# Altium PCB PCB1.PcbDoc (part 2 of 2) (continued)
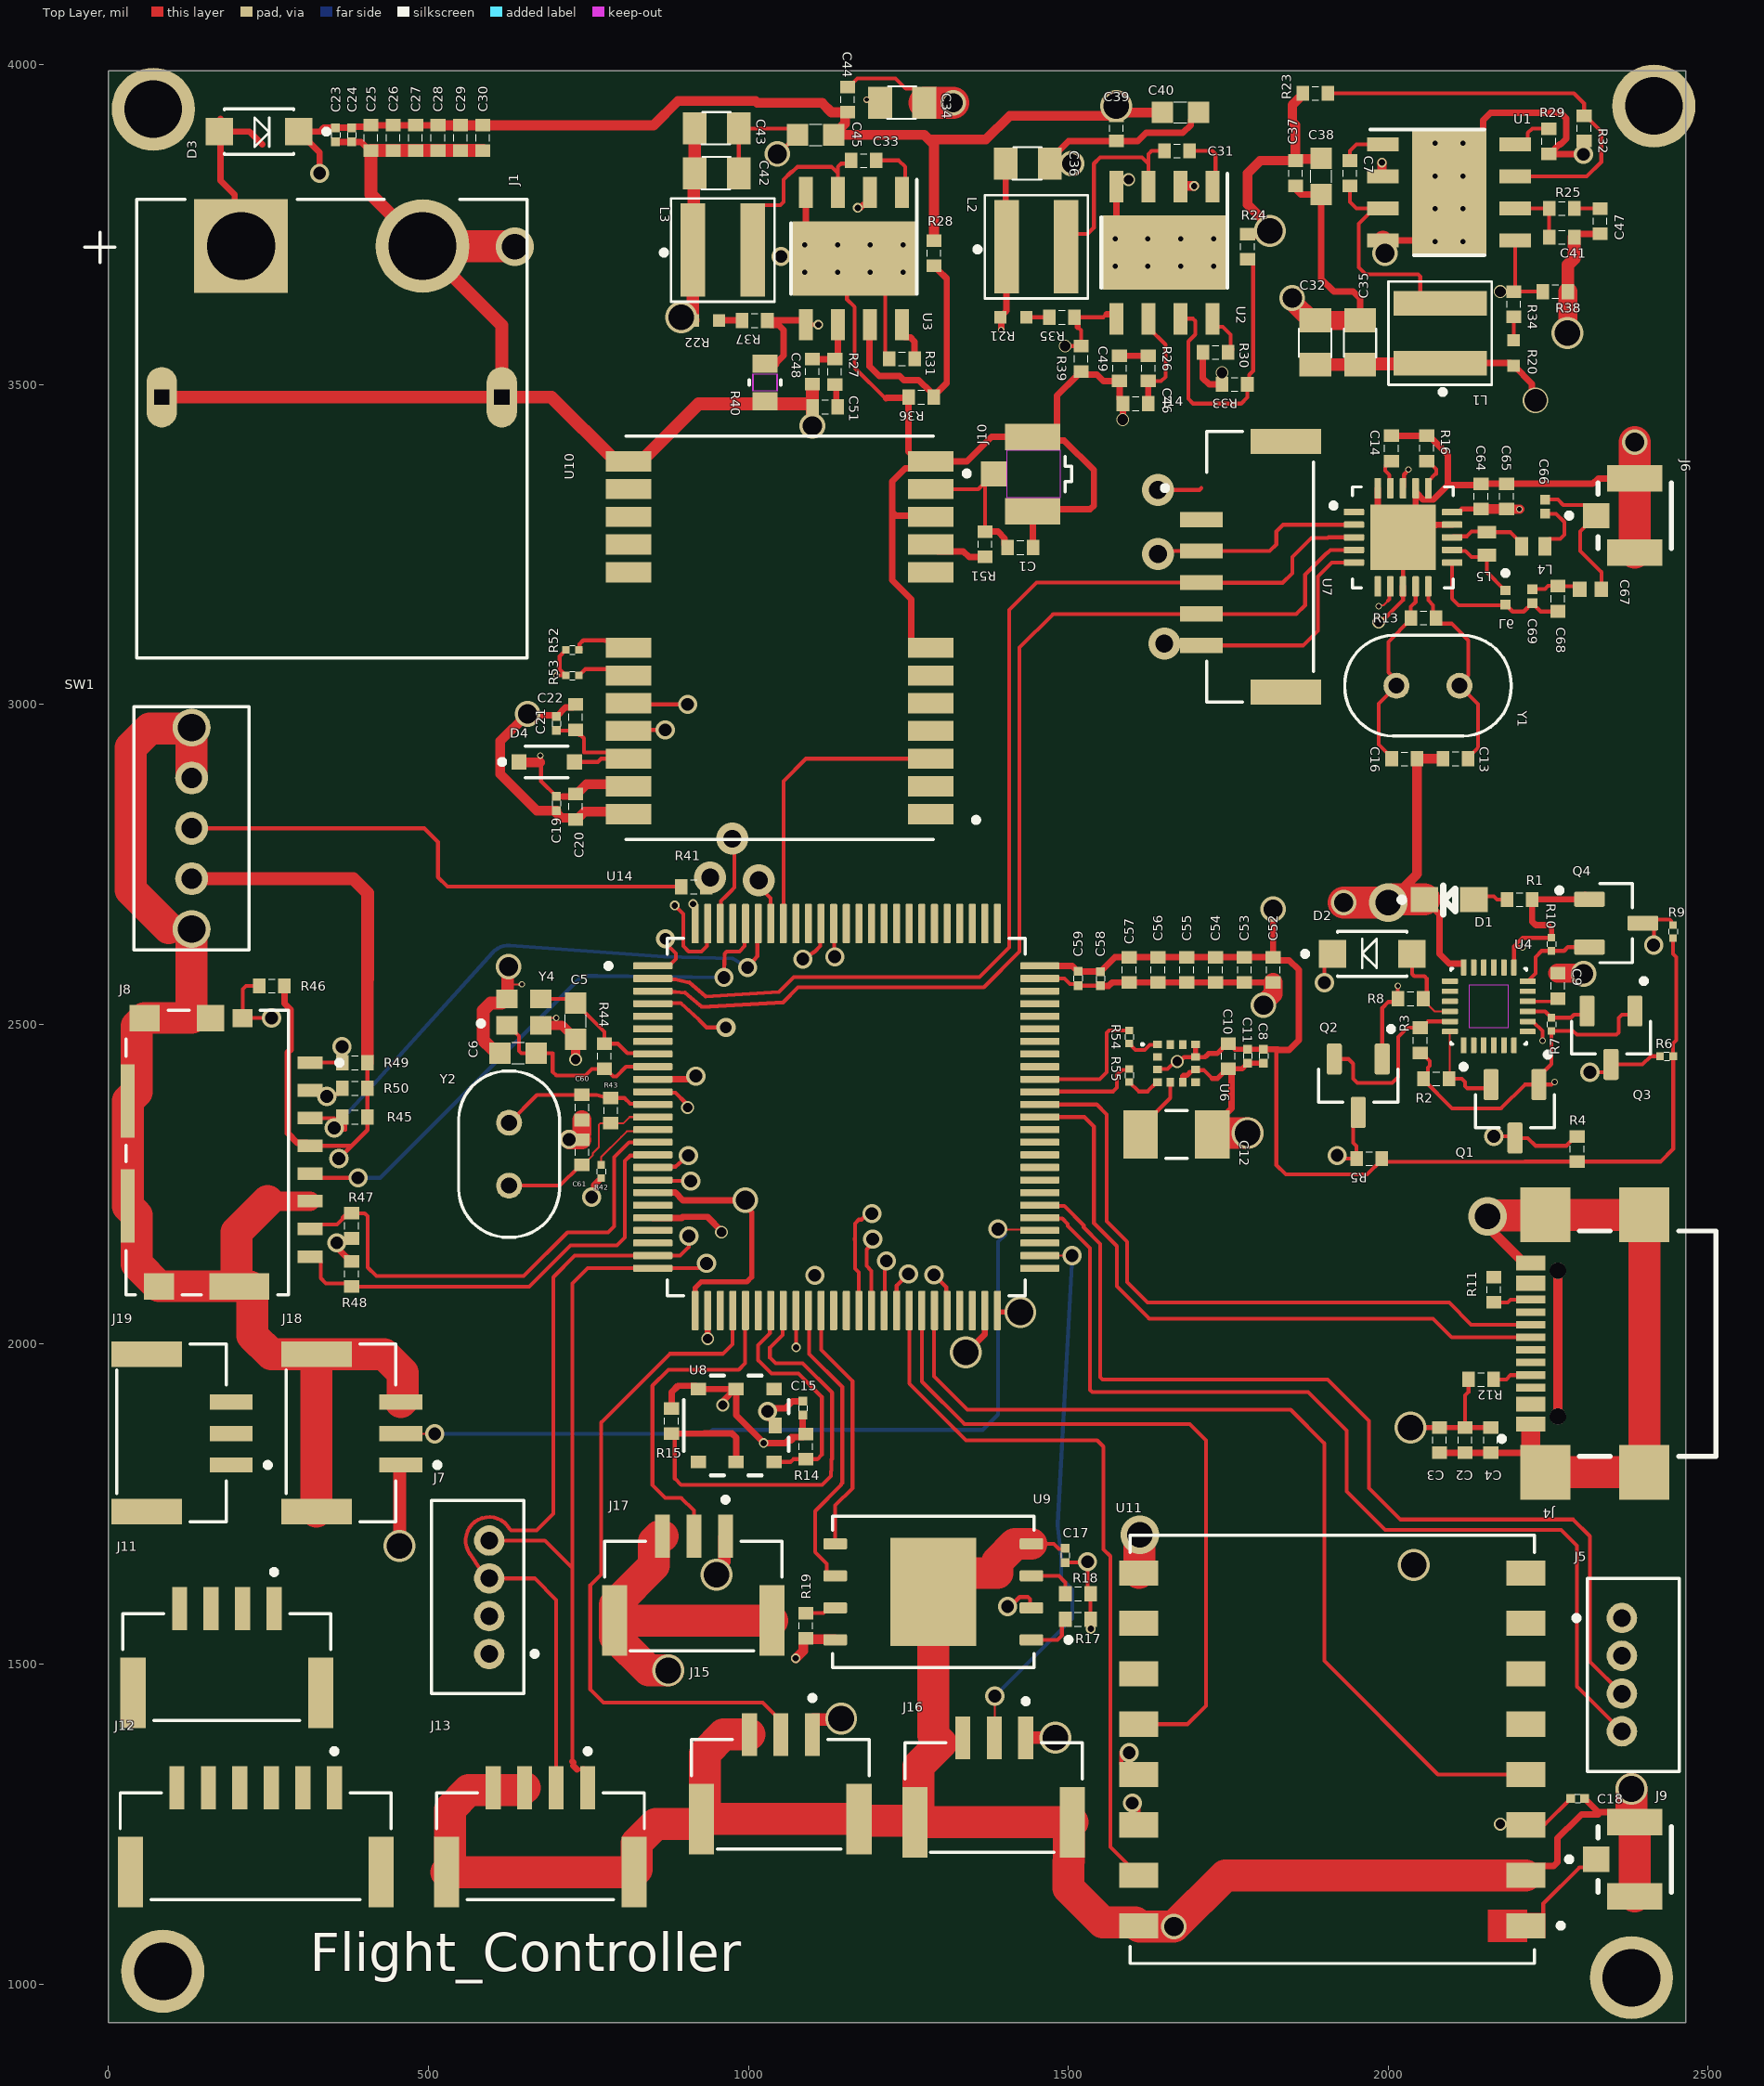
[diagram p0: Top Layer view]
## Nets (pads, with @x,y where several pads share a name; then routed paths per layer and width w, separated by ;. In a path a pad name is that pad's centre, name@x,y a point inside that pad or via, vN(x,y) a via of type N, cw(c..) or ccw(c..) an arc to the next point about the centre after c; other vN are vias at no path point) (continued)
  Layer 2 w6: v4(646.15,2562.42) 646.91,2563.19 653.19,2563.19 655,2565 675,2565 699.84,2540.16 v4(699.84,2509.92)
  Bottom Layer w20: v8@635,3710 v8(635,3715)
GPS_RX: J7.3 J13.2 U10.21 U14.24 | length 2219.9
  Top Layer w6: J13.2@699.61,1306.89 699.61,1600.39 665.94,1634.06 J7.3@595,1634.06 582.01,1647.04 564.68,1672.29 cw(c595,1693.11) 626.9,1711.41 629.2,1709.11 669.11,1709.11 695,1735 695,2104.75 728.72,2138.46 U14.24@850.64,2138.46 893.46,2138.46 907,2152 v1(907,2169.06) ; U10.21@812.56,2958.39 814.17,2960 v1(870,2960)
  Layer 1 w6: v1(870,2960) 870,2883.99 875.5,2878.49 875.5,2861.51 870,2856.01 870,2825 835,2790 835,2788.32 833.01,2786.32 826.31,2635.43 ccw(c870.27,2633.47) 826.31,2631.57 830.41,2536.82 830.51,2534.48 912.94,2452.06 928.6,2452.06 945.85,2434.8 945.85,2251.26 907,2212.4 v1(907,2169.06)
GPS_TIMEPULSE: U10.3 U14.93 | length 467.3
  Top Layer w6: U14.93@1054.57,2657.36 1055,2657.79 1055,2880 1090.08,2915.08 U10.3@1285,2915.08
GPS_TX: J7.4 J13.1 U10.20 U14.25 | length 2225.5
  Top Layer w6: J7.4@595,1693.11 681.89,1693.11 725,1650 ; 725,1347.98 725,1650 ; 726.42,1341.21 726.42,1346.57 ; 732.28,1335.35 J13.1@742.01,1335.35 ; U10.20@812.56,3001.69 814.25,3000 v1(905,3000) ; U14.25@850.64,2118.78 748.78,2118.78 725,2095 725,1650 ; U14.25@850.64,2119.95 861.95,2119.95 863.12,2118.78 922.29,2118.78 929.86,2126.35 v1(934.48,2126.35)
  Top Layer w10: 725,1347.98 726.42,1346.57 ; 726.42,1341.21 732.28,1335.35 ; J13.1@742.01,1335.35 748.82,1328.54 J13.1@748.82,1306.89
  Layer 1 w6: v1(905,3000) 905,2835.69 850.76,2781.45 842.31,2635.09 ccw(c870.27,2633.47) 842.32,2631.73 ccw(c870.27,2633.47) 845.99,2619.53 931.31,2470.93 ; 931.32,2470.9 ccw(c936.51,2473.92) 933.24,2468.88 936,2467.09 947.91,2467.09 970,2445 970,2252.77 952.24,2235.02 952.24,2218.27 935,2201.03 935,2126.87 v1(934.48,2126.35)
Gyro_CS: D2.1 U14.39 | length 1227.5
  Top Layer w6: U14.39@1172.68,2052.64 1172.68,2112.32 1166.8,2118.2 1166.8,2159.46 cw(c1194.4,2164.21) 1166.8,2168.97 1166.8,2188.69 1172.8,2194.69 1177,2194.69 1186.51,2204.19 v1(1193,2204.19) ; v1(1900,2565) 1900,2597.01 D2.1@1912.99,2610
  Layer 1 w6: v1(1193,2204.19) 1221.09,2197.99 1364.2,2196.36 ccw(c1364.27,2202.36) 1368.52,2198.11 1378.4,2208 1401.6,2208 1412.08,2197.52 ccw(c1416.32,2201.76) 1416.24,2195.76 1475.22,2195.09 ; 1475.23,2195.09 ccw(c1475.29,2201.09) 1479.53,2196.85 1481.15,2198.46 1530.85,2198.46 1534.32,2195 1757.12,2195 1855,2292.88 1855,2514.49 1900,2559.49 v1(1900,2565)
Gyro_INT: Q4.3 R9.2 U14.40 | length 1799.6
  Top Layer w6: U14.40@1192.37,2052.64 1192.37,2114.64 1188.68,2118.32 1188.68,2118.94 1185,2122.63 1185,2148.32 1194.4,2157.72 v1(1194.4,2164.21) ; v1(2414.59,2623.91) 2415,2624.32 2415,2649.19 2406.19,2658 Q4.3@2397.73,2658 2403.58,2663.85 2439.73,2663.85 2442.09,2661.49 2442.09,2658.14 R9.2@2445,2655.24
  Layer 1 w6: v1(1194.4,2164.21) 1198.53,2168.35 1362.06,2168.35 1378.4,2152 1401.6,2152 1417.94,2168.35 1473.66,2168.35 1487.77,2182.46 1524.22,2182.46 1538.34,2168.35 1753.09,2168.35 1871,2286.25 1871,2486 1959.46,2574.46 2004.01,2574.46 2007.54,2578 2022.46,2578 2025.99,2574.46 2192.7,2574.46 2221.38,2545.79 2336.47,2545.79 v1(2414.59,2623.91)
Gyro_SCK/SCL: Q2.3 R5.2 U14.42 | length 956.9
  Top Layer w6: U14.42@1231.74,2052.64 1231.74,2091.74 v1(1250.04,2109.97) v1(1250.04,2109.97) ; v1(1920,2295) 1925,2290 R5.2@1950.31,2290 1950.31,2309.69 1945,2315 1945,2354.27 Q2.3@1953,2362.27
  Layer 1 w6: v1(1250.04,2109.97) 1250.04,2116.47 1261.61,2128.04 1261.61,2128.11 1269.85,2136.35 1348.8,2136.35 1365.15,2120 1414.85,2120 1423.23,2128.37 1476.49,2128.37 1494.4,2110.46 1517.6,2110.46 1543.48,2136.35 1766.35,2136.35 1920,2290 v1(1920,2295)
Gyro_SDI/SDA: Q1.3 R4.2 U14.46 | length 1193
  Top Layer w6: v1(1290.01,2108.35) 1309.31,2089.05 1309.31,2053.81 U14.46@1310.48,2052.64 ; v1(2165,2325) 2195.27,2325 Q1.3@2198,2322.27 2217.73,2322.27 2230,2310 2278.35,2310 2293.03,2324.69 R4.2@2295,2324.69
  Layer 1 w6: v1(1290.01,2108.35) 1294.04,2112.37 1350.15,2112.37 1358.52,2104 1421.48,2104 1429.85,2112.37 1469.87,2112.37 1487.77,2094.46 1524.22,2094.46 1542.13,2112.37 1765,2112.37 1901.31,2248.69 2088.69,2248.69 v1(2165,2325)
Gyro_SDO/ADR: Q3.3 R6.2 U14.41 | length 1512.9
  Top Layer w6: U14.41@1210.88,2070 1213.23,2072.35 1213.23,2127.93 v1(1215.59,2130.29) ; v1(2315,2425) 2339.19,2425 2348,2433.81 Q3.3@2348,2437.27 2397.27,2437.27 2410,2450 R6.2@2424.76,2450
  Layer 1 w6: v1(1215.59,2130.29) 1215.59,2130.37 1237.57,2152.35 1355.43,2152.35 1371.77,2136 1408.23,2136 1424.57,2152.35 1480.28,2152.35 1494.4,2166.46 1517.6,2166.46 1531.72,2152.35 1759.72,2152.35 1887,2279.63 1887,2415 1897,2425 2249.54,2425 2252.54,2428 2267.46,2428 2270.46,2425 v1(2315,2425)
INT_1V8: Q4.2 R10.2 U4.12 | length 133.4
  Top Layer w6: U4.12@2217.83,2567.37 2230,2579.54 2230,2605 2239.76,2614.76 R10.2@2255,2614.76 2274.76,2614.76 2280.6,2620.6 Q4.2@2314.27,2620.6
IRQ\: U7.6
LoRa_MISO: U11.13 U14.89 | length 1735
  Top Layer w6: U14.89@1133.32,2657.36 1134.16,2656.52 1134.16,2606.33 v1(1135.01,2605.48) ; v1(1595,1361.54) 1593.3,1363.23 1582.77,1363.23 1582.77,1344.17 1599.45,1327.48 U11.13@1610,1327.48
  Layer 1 w6: v1@1135.01,2605.03 1135.01,2565 1165,2535.01 1165,2104.11 1214,2055.11 1214,1763.51 1217.51,1760 1525,1760 1542.04,1748.88 cw(c1521.34,1717.01) 1558.68,1709.92 1557,1701.09 1557,1696.12 1558.76,1694.36 1581,1672.12 1581,1653.19 1595,1639.19 v1(1595,1361.54)
LoRa_MOSI: U11.14 U14.90 | length 1800.5
  Top Layer w6: v1(1085.17,2601.88) 1104.03,2613.65 1112.46,2622.08 1112.46,2629.65 U14.90@1113.63,2657.36 ; v1(1600,1282.8) 1607.2,1282.8 1610,1280 U11.14@1610,1248.74
  Layer 1 w6: v1(1085.17,2601.88) 1085.86,2574.14 1095,2565 1132.89,2538 1133.24,2537.65 1135,2535.89 1135,2110 1198,2047 1198,1752 1204.24,1745.76 1210.89,1744 1368.11,1736 1507.46,1681.64 1511.07,1681.64 1516.83,1684.71 cw(c1530,1660) 1549.1,1680.48 1562.71,1667.78 1565,1665.49 1565,1550.74 1567.22,1548.51 1567.22,1517.03 1565,1514.81 1565,1351.94 1600,1316.94 v1(1600,1282.8)
LoRa_NSS: U11.15 U14.43 | length 1151.3
  Top Layer w6: U14.43@1251.43,2052.64 1251.43,1938.57 1340,1850 1545,1850 1555,1840 1555,1679.19 1565.45,1668.73 1565.45,1214.55 U11.15@1610,1170
LoRa_RESET: U11.4 U14.45 | length 1493.9
  Top Layer w6: U14.45@1290.8,2052.64 1290,2051.84 1290,1950 1342.5,1897.5 1847.5,1897.5 1900,1845 1900,1505 2077.52,1327.48 U11.4@2214.89,1327.48 ; U11.4@2206.07,1335 U11.4@2212.44,1328.63
LoRa_SCK: U11.12 U14.44 | length 1124.8
  Top Layer w6: U14.44@1271.11,2052.64 1271.11,1941.52 1337.63,1875 1690,1875 1715,1850 1715,1435 1686.22,1406.22 U11.12@1610,1406.22
NetC1_1: C1.1 J10.1 R51.1 U10.11 | length 256.3
  Top Layer w6: U10.11@1285,3336.34 1359.32,3336.34 J10.1@1382.98,3360 ; R51.1@1370,3269.69 1370,3346.04 J10.1@1383.96,3360
  Top Layer w10: R51.1@1370,3269.69 1370.32,3270 1390,3270 1400.47,3259.53 1400.47,3249.84 C1.1@1405.32,3245 ; J10.1@1382.98,3360 J10.1@1383.96,3360
NetC5_1: C5.1 R44.2 U14.8 Y4.3 | length 221.7
  Top Layer w6: Y4.3@675.57,2539.67 723.68,2539.67 C5.1@730,2533.35 775,2488.35 R44.2@775,2469.69 795.83,2469.69 810.93,2454.58 849.48,2454.58 U14.8@850.64,2453.43
NetC6_1: C6.1 R44.1 U14.9 Y4.1 | length 306.4
  Top Layer w6: Y4.1@622.43,2498.33 624.39,2498.33 641.39,2481.34 641.39,2458.61 645,2455 C6.1@668.35,2455 694.08,2455 694.08,2425.92 700,2420 745.53,2420 755.53,2430 774.68,2430 R44.1@775,2430.32 776.97,2430.32 788.66,2418.63 793.63,2418.63 808.74,2433.74 U14.9@850.64,2433.74
NetC7_1: C7.1 U1.1 | length 71.1
  Top Layer w6: C7.1@1940,3849.69 1940,3865 1950,3875 U1.1@1991.65,3875
NetC7_2: C7.2 L1.2 U1.3 | length 355.4
  Top Layer w6: C7.2@1940,3810.31 1940,3785 1950,3775 U1.3@1985,3775 ; U1.3@1991.65,3775 U1.3@1985,3775 ; L1.2@2081,3626.65 2066.29,3626.65 2050,3642.94 2050,3668.49 2046.49,3672 1965,3672 1954.05,3682.95 1954.05,3751.17 1972.87,3770 1980,3770 U1.3@1985,3775
NetC9_1: C9.1 U4.10 | length 49
  Top Layer w5: U4.10@2217.83,2535.87 2260.56,2535.87 C9.1@2265,2540.32
NetC12_2: C12.2 U6.5 | length 100.6
  Top Layer w6: C12.2@1613.06,2328 1613.06,2338.63 1659.16,2384.73 U6.5@1659.16,2409.47
NetC13_2: C13.2 R13.1 U7.10 Y1.2 | length 329.3
  Top Layer w6: U7.10@2062.37,3184.23 2062.37,3162.63 2070,3155 2070,3139.68 R13.1@2074.68,3135 2074.68,3133.03 2081.53,3126.19 2098.81,3126.19 2125,3100 2125,3045 2111.21,3031.21 Y1.2@2111.21,3029 2140,3000.21 2140,2932.28 2124.68,2916.97 C13.2@2124.68,2915
NetC14_1: C14.1 U7.19 | length 51.3
  Top Layer w6: U7.19@2003.32,3337.77 2001.75,3339.34 2001.75,3358.35 1995,3365.1 1995,3370.32 1996.19,3371.5 1996.19,3373.47 2003.03,3380.31 C14.1@2005,3380.31
NetC16_2: C16.2 R13.2 U7.9 Y1.1 | length 312.4
  Top Layer w6: C16.2@2005.32,2915 2005.32,2916.97 1985,2937.28 1985,3001.21 Y1.1@2012.79,3029 2012.79,3037.21 2000,3050 2000,3097.72 2035.31,3133.03 R13.2@2035.31,3135 2035,3135.31 2035,3152.37 2042.68,3160.06 U7.9@2042.68,3184.23
NetC21_1: C21.1 C22.1 D4.2 U10.22 | length 232.3
  Top Layer w6: C21.1@700.16,2959.13 C22.1@728.82,2959.13 ; D4.2@728.31,2910 765,2910 770,2915 U10.22@812.48,2915 ; C22.1@736.81,2953.5 743.31,2947.01 743.31,2925 802.64,2925 U10.22@812.56,2915.08
  Top Layer w10: C21.1@700,2958.98 C21.1@700.16,2959.13 ; C22.1@728.82,2959.13 C22.1@730,2960.32 731.97,2960.32 736.81,2955.47 C22.1@736.81,2953.5 ; U10.22@812.48,2915 U10.22@812.56,2915.08
NetC31_1: C31.1 U2.1 | length 95.1
  Top Layer w6: C31.1@1689.68,3865 1725,3865 1730,3860 1730,3814.35 U2.1@1725,3809.35
NetC31_2: C31.2 L2.2 U2.3 | length 329.3
  Top Layer w6: L2.2@1496.65,3715 1496.65,3718.71 1512.94,3735 1530,3735 1540,3745 1540,3845 1550,3855 1615,3855 1625,3845 ; U2.3@1625,3809.35 1625,3845 ; C31.2@1650.32,3865 1630,3865 1625,3860 1625,3845
NetC33_1: C33.1 U3.1 | length 91.5
  Top Layer w6: C33.1@1199.68,3850 1235,3850 1245,3840 1245,3805 U3.1@1240,3800
NetC33_2: C33.2 L3.2 U3.3 | length 307.7
  Top Layer w6: L3.2@1006.65,3710 1006.65,3763.54 1022.94,3779.83 1049.83,3779.83 1055,3785 1055,3820 1067,3832 1068.18,3832 1073.79,3837.61 1074.28,3837.61 1076.67,3840 1130,3840 1140,3830 ; U3.3@1140,3800 1140,3830 ; C33.2@1160.32,3850 1155.32,3845 1145,3845 1140,3840 1140,3830
NetC41_1: C41.1 R25.1 U1.6 | length 98
  Top Layer w6: U1.6@2198.35,3775 R25.1@2251.32,3775 C41.1@2251.32,3730
NetC46_1: C46.1 R26.1 U2.6 | length 167.2
  Top Layer w6: U2.6@1625,3588.87 1651.81,3562.06 1651.81,3511.81 1645,3505 R26.1@1625.31,3505
  Top Layer w10: C46.1@1624.68,3470 1624.84,3470.16 1624.84,3505.16 R26.1@1625,3505.31 R26.1@1625.31,3505 ; U2.6@1625,3588.87 U2.6@1625,3602.65
NetC47_1: C47.1 R25.2 | length 40.4
  Top Layer w6: R25.2@2290.84,3774.84 C47.1@2330.84,3774.84
  Top Layer w10: R25.2@2290.69,3775 R25.2@2290.84,3774.84 ; C47.1@2330.84,3774.84 C47.1@2331,3774.69
NetC48_1: C48.1 R27.1 U3.6 | length 84.5
  Top Layer w10: C48.1@1100,3539.69 1100.16,3539.53 1134.84,3539.53 R27.1@1135,3539.37 ; U3.6@1139.41,3593.31 1140,3592.72 R27.1@1140,3544.21
NetC49_1: C49.1 R26.2 | length 45
  Top Layer w10: C49.1@1580,3544.69 R26.2@1625,3544.69
NetC51_1: C51.1 R27.2 | length 36.9
  Top Layer w10: R27.2@1135,3500 1137.34,3497.66 1137.34,3467.34 C51.1@1139.68,3465
NetC60_2: C60.2 R43.1 U14.12 Y2.2 | length 248.9
  Top Layer w6: Y2.2@626,2346.21 669.47,2389.68 748.81,2389.68 763.03,2389.68 776.19,2385.66 R43.1@786.06,2382.64 ; R43.1@785,2384.68 806.52,2384.68 815.35,2375.86 849.46,2375.86 U14.12@850.64,2374.68
NetC61_2: C61.2 R43.2 U14.13 Y2.1 | length 284.1
  Top Layer w3: C61.2@740,2280.32 741.97,2280.32 757,2295.35 757,2298.77 766.5,2308.27 766.5,2343.24 768.26,2345 R43.2@777.84,2345 ; R43.2@785,2345.31 804.86,2345.31 814.55,2355 U14.13@850.64,2355
  Top Layer w6: Y2.1@626,2247.79 705.5,2247.79 C61.2@736.52,2278.8 ; C61.2@735,2280.32 C61.2@736.97,2280.32 ; C61.2@743.03,2280.32 C61.2@745,2280.32
NetC66_1: C66.1 L4.2 | length 95.8
  Top Layer w6: L4.2@2244.51,3247.09 2244.51,3251.42 2251.55,3258.46 2268.46,3258.46 2275,3265 2275,3285 2262.13,3297.87 C66.1@2245,3297.87
NetC66_2: C66.2 C67.2 J6.1 | length 229.9
  Top Layer w6: C66.2@2245,3320 2265,3320 2273.31,3311.69 2308.28,3311.69 J6.1@2324.96,3295 2323.98,3295 2307.29,3278.31 2307.29,3277.33 2300,3270.04 2300,3239.57 2333.01,3206.56 C67.2@2333.01,3180
NetC67_1: C67.1 C68.2 C69.1 | length 78.1
  Top Layer w6: C69.1@2225,3180 2245,3180 2250,3185 2264.68,3185 C68.2@2265,3184.69 2294.31,3184.69 C67.1@2298.99,3180
NetC68_1: C68.1 C69.2 L6.2 U7.11 | length 241.6
  Top Layer w6: U7.11@2099.77,3221.63 2099.77,3165.23 2110,3155 2182.46,3155 2183.39,3155.94 2194.33,3145 2211.73,3145 2224.61,3157.87 C69.2@2225,3157.87 2225.39,3157.87 2238.27,3145 2264.68,3145 C68.1@2265,3145.31
NetD1_2: D1.2 R1.1 | length 56
  Top Layer w6: D1.2@2133.46,2695 2138.46,2700 2165,2700 2170,2695 R1.1@2185.32,2695
NetD3_2: D3.2 J1.1 | length 287.4
  Top Layer w10: D3.2@173.46,3895 220.47,3895 240.47,3875 ; D3.2@175,3915 175,3818.49 197.27,3796.22 197.27,3726.22 J1.1@207.27,3716.22
NetJ4_A5: J4.A5 R12.2 | length 60.8
  Top Layer w6: R12.2@2164.69,1945 2184.28,1945 2191.04,1951.76 J4.A5@2222.65,1951.76
NetJ4_B5: J4.B5 R11.2 | length 59.6
  Top Layer w6: R11.2@2165,2065.31 2186.52,2065.31 2191.04,2069.83 2222.61,2069.83 J4.B5@2222.68,2069.9
NetJ9_1: J9.1 U11.1 | length 174
  Top Layer w6: U11.1@2212.44,1092.41 U11.1@2219.85,1085 ; U11.1@2214.89,1091.26 2225.44,1091.26 2242.12,1107.94 2242.12,1125.83 2298.81,1182.51 2312.48,1182.51 J9.1@2324.96,1195
NetL4_1: L4.1 L5.2 U7.13 | length 124.3
  Top Layer w6: U7.13@2099.77,3261 2101.34,3262.57 2122.57,3262.57 2130,3270 2153.11,3270 L5.2@2154,3269.11 2190.6,3269.11 2208.29,3251.42 L4.1@2208.29,3247.09
NetL5_1: L5.1 L6.1 U7.12 | length 127.1
  Top Layer w6: U7.12@2099.77,3241.31 2101.34,3239.75 2120.35,3239.75 2130,3230.1 2151.21,3230.1 L5.1@2154,3232.89 2154,3206.67 2182.61,3178.06 L6.1@2183,3178.06
NetR16_2: R16.2 U7.16 | length 55.9
  Top Layer w6: R16.2@2060,3380.31 2061.97,3380.31 2075,3367.28 2075,3360 2073.77,3360 2062.37,3348.6 U7.16@2062.37,3337.77
NetR17_1: R17.1 U9.1 | length 77.8
  Top Layer w6: U9.1@1442.35,1538 1483,1538 1490,1545 1490,1564.69 R17.1@1495.32,1570
NetR18_2: R18.2 U9.3 | length 74.9
  Top Layer w6: U9.3@1442.35,1638 1485.01,1638 1495.31,1627.7 R18.2@1495.31,1610
NetR19_2: R19.2 U9.7 | length 49.1
  Top Layer w6: R19.2@1090,1579.69 1117.5,1579.69 1125.81,1588 U9.7@1135.65,1588
NetR20_1: R20.1 R34.1 | length 36.2
  Top Layer w6: R20.1@2196,3569.16 R34.1@2196,3605.31
NetR21_1: R21.1 R35.1 | length 36.2
  Top Layer w6: R21.1@1434.16,3605 R35.1@1470.32,3605
NetR22_1: R22.1 R37.1 | length 36.2
  Top Layer w10: R22.1@954.16,3600 R37.1@990.32,3600
NetR23_2: R23.2 R32.1 U1.7 | length 654.2
  Top Layer w6: R23.2@1905.69,3955 2290,3955 2306,3939 R32.1@2306,3919.69 ; U1.7@2198.35,3825 2310,3825 2332.81,3847.81 2332.81,3894.24 cw(c2415,3935) 2332.24,3895.41 2314.81,3912.84 R32.1@2307.97,3919.69
  Top Layer w10: R32.1@2306,3919.69 R32.1@2307.97,3919.69
NetR24_2: R24.2 R33.1 U2.7 | length 479.6
  Top Layer w6: U2.7@1675,3602.65 1694.83,3602.65 1698.34,3599.14 1698.34,3578.06 1687.47,3567.2 1687.47,3477.53 1695,3470 1760,3470 1764.99,3470.01 1770,3470 1779.68,3479.69 R33.1@1779.68,3500 1782.62,3502.94 1782.62,3515 1788.81,3521.19 1788.81,3688.47 1784.39,3692.89 1777.42,3692.89 1779.84,3695.31 R24.2@1780,3695.31
NetR28_2: R28.2 R36.1 U3.7 | length 410.7
  Top Layer w10: U3.7@1189.41,3593.31 1189.41,3528.04 1204.26,3513.19 1236.31,3513.19 1242.69,3506.81 1266.37,3506.81 1284.84,3488.34 1284.84,3484.84 R36.1@1289.68,3480 1289.68,3481.97 1310,3502.28 1310,3665.31 1296.81,3678.5 1296.81,3680.47 1291.97,3685.31 R28.2@1290,3685.31
NetR29_1: R29.1 U1.8 | length 70.1
  Top Layer w6: U1.8@2217.95,3880.83 2217.95,3892.95 2225,3900 R29.1@2251,3900
  Top Layer w10: U1.8@2198.35,3875 2212.13,3875 U1.8@2217.95,3880.83
NetR30_1: R30.1 U2.8 | length 71.9
  Top Layer w6: U2.8@1725,3602.65 1725,3597.83 1732.83,3590 1741.41,3590 1753.51,3577.9 1753.51,3555.86 R30.1@1754.53,3554.84
  Top Layer w10: R30.1@1749.68,3550 R30.1@1754.53,3554.84
NetR31_1: R31.1 U3.8 | length 66.1
  Top Layer w10: U3.8@1239.41,3593.31 1239.41,3579.53 1245.24,3573.7 1252.8,3573.7 1259.68,3566.81 R31.1@1259.68,3540
NetR41_1: R41.1 SW1.2 | length 835
  Top Layer w6: SW1.2@130,2806.26 493.74,2806.26 515,2785 515,2730 530,2715 R41.1@895,2715
NetR41_2: R41.2 U14.94 | length 171.4
  Top Layer w6: R41.2@934.37,2715 940.29,2720.92 v7(940.29,2729.29) ; v7(1016.29,2725) 1016.29,2715.67 1034.89,2697.07 U14.94@1034.89,2657.36
  Layer 1 w6: v7(940.29,2729.29) 946.49,2723.09 1008.09,2723.09 1010,2725 v7(1016.29,2725)
NetR42_2: R42.2 U14.14 | length 110.7
  Top Layer w3: R42.2@770,2280.24 770,2292.55 801.42,2323.97 801.57,2323.97 810.24,2332.64 847.96,2332.64 U14.14@850.64,2335.32
NetR51_2: R51.2 U10.9 | length 93.3
  Top Layer w10: U10.9@1285,3249.72 1295.75,3238.98 1336.02,3238.98 1345,3230 1369.69,3230 R51.2@1370,3230.31
NetR52_2: R52.2 U10.18 | length 93.2
  Top Layer w6: R52.2@736.14,3085.91 736.14,3094.14 742,3100 775,3100 775.94,3099.06 801.81,3099.06 U10.18@812.56,3088.31
  Top Layer w10: R52.2@735.24,3085 R52.2@736.14,3085.91
NetR53_2: R53.2 U10.19 | length 85.6
  Top Layer w6: R53.2@735.24,3045 745.24,3055 802.56,3055 U10.19@812.56,3045
NetR54_2: R54.2 U6.1 | length 52
  Top Layer w6: R54.2@1595,2469.76 1604.76,2460 1619.45,2460 1627.2,2467.75 1638.69,2467.75 U6.1@1639.47,2468.53
NetR55_2: R55.2 U6.4 | length 56.6
  Top Layer w6: R55.2@1595,2409.76 1609.76,2395 1624.02,2395 1638.49,2409.47 U6.4@1639.47,2409.47
PWM1: J15.2 U14.29 | length 1072.5
  Top Layer w6: U14.29@975.83,2052.64 975,2051.8 975,2000 960,1985 877.37,1985 770,1877.63 770,1640.31 752.98,1623.3 752.98,1460.53 773.51,1440 1022.44,1440 1050.79,1411.65 J15.2@1050.79,1390
PWM2: J16.2 U14.52 | length 862.5
  Top Layer w3: J16.2@1384.21,1385 1385,1385.79 v1(1385,1450) ; U14.52@1455.36,2138.46 v1(1506,2138.46)
  Bottom Layer w6: v1(1385,1450) 1506,1571 1506,1617.01 1489,1634.01 1489,1667.98 1483.62,1712.44 cw(c1521.34,1717.01) 1483.4,1719.05 v1(1506,2138.46)
PWM3: J17.2 U14.30 | length 518.9
  Top Layer w6: J17.2@915,1700 915,1740 895,1760 870,1760 850,1780 850,1935 875,1960 985,1960 995,1970 995,2052.12 U14.30@995.52,2052.64
PWM4: J18.2 U14.54 | length 1315.8
  Top Layer w3: J18.2@456.89,1860.39 457.28,1860 v1(510,1860) ; v1(1390,2180) 1391.08,2178.92 1454.28,2178.92 U14.54@1455.36,2177.83
  Bottom Layer w6: v1(510,1860) 938.25,1860 944.31,1866.06 1366.06,1866.06 1390,1890 1390,2031.26 1387,2034.26 1387,2065.74 1390,2068.74 1390,2160 1401.51,2171.51 1393.03,2180 v1(1390,2180)
Radio_SCL: J5.4 U14.55 | length 1558.1
  Top Layer w6: U14.55@1455.36,2197.52 1456.54,2196.35 1490.65,2196.35 1499.07,2187.92 1499.07,2184.99 1534,2150.06 1534,1928.51 1537.51,1925 1875,1925 1935,1865 1935,1770 1995,1710 2270,1710 2295,1685 2295,1465 J5.4@2365,1395
Radio_SDA: J5.3 U14.56 | length 1525.7
  Top Layer w6: U14.56@1455.36,2217.2 1456.54,2216.03 1493.59,2216.03 1524,2185.62 1524,2182.69 1550,2156.69 1550,1948.51 1553.51,1945 1905,1945 1970,1880 1970,1775 2019,1726 2289,1726 2315,1700 2315,1504.06 J5.3@2365,1454.06
SCK/SCL_1V8: Q2.2 R3.2 U4.23 | length 286
  Top Layer w6: Q2.2@1915.6,2445.73 1937.72,2445.73 1945,2438.46 1945,2415 1951.48,2408.52 2005.87,2408.52 2015.21,2417.86 2015.21,2480.21 2029.69,2494.69 R3.2@2050,2494.69 2051.97,2494.69 2061.66,2504.38 U4.23@2096.17,2504.38
SD_CLK: J8.P5 U14.96 | length 889.6
  Top Layer w6: J8.P5@315,2266.77 321.77,2260 v1(390,2260) ; v1(961.78,2573.17) 962.72,2610.14 964.42,2611.83 966.24,2613.65 985.92,2613.65 994.35,2622.08 994.35,2629.65 995.52,2630.83 U14.96@995.52,2657.36
  Bottom Layer w6: v1(390,2260) 424.47,2260 740.04,2575.58 763.43,2575.58 763.5,2575.58 v1(961.78,2573.17)
SD_CMD: J8.P3 R45.2 U14.95 | length 928.4
  Top Layer w6: J8.P3@315,2353.39 352.76,2353.39 ; v1(352.76,2338.08) 355.84,2335 370,2335 370,2350.31 R45.2@365.31,2355 ; v1(998.66,2588.64) 1014.03,2606.48 1014.03,2656.19 U14.95@1015.2,2657.36
  Bottom Layer w6: v1(352.76,2338.08) 600.52,2612.13 cw(c625,2590) 627.37,2622.91 868.25,2605.55 ccw(c870.27,2633.47) 868.87,2605.51 ccw(c870.27,2633.47) 869.57,2605.48 975.17,2602.86 v1(998.66,2588.64)
SD_D0: J8.P7 R47.2 U14.15 | length 779.5
  Top Layer w6: J8.P7@315,2180.16 321.84,2187 357.31,2187 366.19,2195.87 366.19,2197.84 373.03,2204.69 R47.2@375,2204.69 ; R47.2@380,2204.69 400.31,2204.69 405,2200 405,2120 418.69,2106.31 648.69,2106.31 717.37,2175 780.93,2175 790,2184.07 790,2292.05 807.42,2309.47 807.58,2309.47 813.74,2315.63 U14.15@850.64,2315.63
SD_D1: J8.P8 R48.2 U14.16 | length 719.1
  Top Layer w6: J8.P8@315,2136.85 324.84,2136.85 331.69,2130.01 331.69,2103.31 340,2095 374.69,2095 R48.2@375,2095.31 ; R48.2@380,2090.31 380.32,2090 657.63,2090 722.09,2154.46 794.46,2154.46 806.93,2166.93 806.93,2178.37 806.93,2187.92 806.93,2207.61 806.93,2227.29 806.93,2246.98 806.93,2266.66 806.93,2286.35 815.35,2294.77 849.46,2294.77 U14.16@850.64,2295.94
SD_D2: J8.P1 R49.2 U14.17 | length 834
  Top Layer w6: J8.P1@315,2440 R49.2@365.31,2440 365,2440.31 v1(365,2465) ; U14.17@850.64,2276.26 878.35,2277.43 885.92,2277.43 v1(906.35,2294.83)
  Layer 1 w6: v1(365,2465) 400,2430 400,2316.63 431.63,2285 593.53,2285 605.59,2297.06 646.41,2297.06 658.47,2285 796.87,2285 806.7,2294.83 v1(906.35,2294.83)
SD_D3: J8.P2 R50.2 U14.18 | length 794.8
  Top Layer w3: U14.18@821.43,2259.25 847.96,2259.25 U14.18@850.64,2256.57
  Top Layer w6: v1(341.23,2387.36) 345.06,2391.19 358.47,2391.19 365.31,2398.03 R50.2@365.31,2400 ; U14.18@850.64,2256.57 878.35,2255.4 885.92,2255.4 v1(910,2255)
  Layer 1 w6: v1(341.23,2387.36) 343.08,2387.36 384,2346.44 384,2310 434,2260 591.15,2260 612.22,2281.06 639.78,2281.06 666.16,2254.68 667.92,2252.92 672.89,2252.92 733.42,2253.45 ; 733.45,2253.45 ccw(c733.37,2259.45) 737.61,2255.21 750.4,2268 773.6,2268 785.89,2255.71 ccw(c790.13,2259.95) 790.15,2253.95 ; 790.18,2253.95 v1(910,2255)
SD_DET: J8.P9 R46.2 U14.38 | length 1422.9
  Top Layer w6: J8.P9@209.49,2509.29 J8.P9@210,2509.8 ; R46.2@235.63,2560 215,2560 210,2555 J8.P9@210,2509.8 ; v1(255,2510) 210.2,2510 J8.P9@210,2509.8
  Layer 1 w6: v1(255,2510) 255,2145 305,2095 v1@1103.79,2095 ; v1(1103.79,2107.72) v1@1103.79,2095 ; 1139,2052.64 1139,2059.79 v1@1103.79,2095
SDI/SDA_1V8: Q1.2 R2.2 U4.24 | length 152.5
  Top Layer w3: R2.2@2094.69,2415 2096.17,2416.49 U4.24@2096.17,2488.63
  Top Layer w6: R2.2@2094.69,2415 2115,2415 2120,2410 2120,2403.51 2123.51,2400 2154.87,2400 Q1.2@2160.6,2405.73
SDO/ADR_1V8: Q3.2 R7.2 U4.9 | length 101.2
  Top Layer w6: U4.9@2217.83,2520.13 2245.11,2520.13 R7.2@2255,2510.24 2285.24,2510.24 2290,2515 2304.87,2515 Q3.2@2310.6,2520.73
Transceiver_CE: J14.1 U7.1 U14.98 | length 1613.3
  Top Layer w6: U14.98@956.15,2657.36 957.32,2658.54 957.32,2692.65 965.75,2701.07 965.82,2701.07 973,2708.26 978.29,2713.55 978.29,2786.71 v7(975,2790) ; v7(1640,3335) 1705.08,3335 1708.11,3338.03
  Layer 1 w6: v7(975,2790) 975,3125 1025,3175 1125,3175 1127.67,3177.67 1492.67,3177.67 1525,3210 1525,3285 1575,3335 v7(1640,3335) ; J14.1@1708.11,3338.03 1926.97,3338.03 1935,3330 1935,3302.49 1937.12,3300.37 1946.23,3300.37
Transceiver_CSN: J14.3 U7.2 U14.1 | length 1720.4
  Top Layer w6: U14.1@850.64,2591.22 875.83,2591.22 886.83,2602.22 886.83,2610.88 870.27,2627.45 v10(870.27,2633.47) ; v7(1640,3235) 1645,3240 1660,3240 1660.39,3239.61 J14.3@1708.11,3239.61 1814.61,3239.61 1825,3250 1825,3270 1835.68,3280.69 U7.2@1946.23,3280.69
  Layer 1 w6: v10(870.27,2633.47) 890.86,2628.89 890.86,2613.71 903.3,2601.27 926.27,2601.27 977.95,2652.95 1021.83,2652.95 1075,2706.12 1075,2740 1085,2750 1550,2750 1595,2795 1595,3190 v7(1640,3235)
Transceiver_MISO: J14.6 U7.5 U14.4 | length 1703.5
  Top Layer w6: U14.4@850.64,2532.17 851.81,2533.34 894.35,2533.34 922.99,2506.75 923.15,2506.6 934.75,2495 v10(965,2495) ; v7@1658.03,3091.97 J14.6@1708.11,3091.97 1866.97,3091.97 1890,3115 1890,3200 1911.63,3221.63 U7.5@1946.23,3221.63
  Layer 1 w6: v10(965,2495) 969,2499 989,2499 1010,2520 1010,2559.28 1010,2559.95 1013.52,2563.46 1051.92,2601.63 ccw(c1000.1,2656.37) 1053.4,2603.07 ccw(c1036.35,2620.12) 1059.32,2612.77 1061.04,2618.16 cw(c1084.1,2602.28) 1065.23,2622.96 1096.49,2651.49 1100,2655 1100,2690 1125,2715 1580,2715 1650,2785 v7(1650,3095) v7@1650,3115
Transceiver_MOSI: J14.5 U7.4 U14.3 | length 1677.7
  Top Layer w6: U14.3@879.69,2552.71 878.35,2550.68 885.92,2550.68 900.97,2549.34 924.03,2529.83 926.86,2527.72 ccw(c932.15,2558.98) 930.7,2527.31 933.67,2527.31 940.07,2527.59 1054.17,2534.17 1077.65,2557.65 1368,2557.65 1423.73,2613.39 1423.73,3088.73 1476.18,3141.18 J14.5@1708.11,3141.18 1856.18,3141.18 1870,3155 1870,3202.63 1903.37,3236 1904.08,3236 1909.4,3241.31 U7.4@1946.23,3241.31
Transceiver_SCK: J14.4 U7.3 U14.2 | length 1723
  Top Layer w6: U14.2@850.64,2571.54 878.35,2570.36 885.92,2570.36 ; 885.96,2570.35 907.6,2565.34 ; 907.62,2565.32 932.98,2543.47 933.17,2543.31 1047.9,2550.53 1071.03,2573.65 1361.37,2573.65 1407.73,2620.02 1407.73,3147.73 1450.39,3190.39 J14.4@1708.11,3190.39 1708.5,3190 1835,3190 1850,3205 1850,3230 1880,3260 1905.46,3260 1906.46,3261 U7.3@1946.23,3261
TYPE-C_D+: J4.A6 J4.B6 U14.64 | length 1044.6
  Top Layer w6: U14.64@1455.36,2374.68 1544.32,2374.68 1560,2359 1560,2191.94 1591.99,2159.95 1591.99,2096.99 1623.98,2065 2095,2065 2129.47,2030.53 J4.B6@2222.68,2030.53
TYPE-C_D-: J4.A7 J4.B7 U14.63 | length 1035
  Top Layer w6: U14.63@1455.36,2355 1525,2355 1540,2340 1540,2189.32 1575.99,2153.32 1575.99,2090.36 1626.36,2040 2070,2040 2099.16,2010.84 J4.A7@2222.68,2010.84
VSENSE: R34.2 R35.2 R37.2 R38.1 R39.1 R40.1 U1.5 U2.5 U3.5 | length 1593.8
  Top Layer w6: U3.5@1089.41,3594.17 1090.28,3593.31 v5(1109.17,3593.31) ; v9(1495,3560) 1519.69,3560 R39.1@1520,3559.69 1520,3584.53 1514.53,3590 ; R35.2@1509.69,3605 1555,3605 1559.68,3609.68 ; v9(2175,3645) 2195.68,3645 R34.2@2196,3644.69 R34.2@2196.31,3645 ; U1.5@2198.35,3725 2198.35,3647.03 R34.2@2196.31,3645 ; R38.1@2241.32,3645 R34.2@2196.31,3645
  Top Layer w10: R40.1@1026,3532.5 R40.1@1035,3541.5 ; R40.1@1043.5,3531.5 1043.5,3533.5 1055,3545 1055,3585 1046.81,3593.19 1034.53,3593.19 1029.69,3598.03 R37.2@1029.69,3600 1083.58,3600 U3.5@1089.41,3594.17 ; R35.2@1509.69,3605 1514.53,3600.16 1514.53,3590 ; 1559.68,3609.68 1569.17,3609.68 1575,3603.86 U2.5@1575,3602.65
  Layer 1 w6: v5(1109.17,3593.31) 1142.48,3560 v9(1495,3560) 2085,3560 2170,3645 v9(2175,3645)
pads on no net: J4.A4/B9 J4.A8 J4.B4/A9 J4.B8 J5.1 J5.2 J7.1 J7.2 J11.1 J11.2 J11.3 J11.4 J11.S1 J11.S2 J12.1 J12.2 J12.3 J12.4 J12.5 J12.6 J12.S1 J12.S2 J14.2 J14.S1 J14.S2 J19.1 J19.2 J19.3 J19.S1 J19.S2 U1.V U2.V U3.V U4.1 U4.2 U4.3 U4.4 U4.5 U4.6 U4.7 U4.11 U4.14 U4.15 U4.16 U4.17 U4.19 U4.20 U4.21 U6.2 U6.7 U6.11 U6.12 U8.1 U8.4 U10.1 U10.2 U10.4 U10.5 U10.6 U10.8 U10.14 U10.15 U10.16 U10.17 U11.5 U11.6 U11.7 U11.8 U11.10 U11.11 U14.5 U14.6 U14.7 U14.20 U14.22 U14.23 U14.28 U14.31 U14.37 U14.47 U14.48 U14.51 U14.53 U14.57 U14.58 U14.59 U14.60 U14.61 U14.62 U14.67 U14.68 U14.69 U14.70 U14.71 U14.72 U14.73 U14.76 U14.77 U14.78 U14.79 U14.80 U14.81 U14.82 U14.83 U14.84 U14.85 U14.86 U14.87 U14.88 U14.91 U14.92 U14.97

## Polygon pours and split planes (outlines as drawn)
+24V on Layer 2 "+24V_L03_P002" (solid, pour order 2): 206.08,3965.63 211.08,3960.63 2351.08,3960.63 2351.08,3900.63 2401.08,3850.63 2436.08,3850.63 2436.08,3540.63 51.08,3540.63 51.08,3810.63
+3V3 on Layer 2 "+3V3_L03_P004" (solid, pour order 4): 9.16,1801.19 14.16,1796.19 2449.16,1761.19 2449.16,2661.19 2390.36,2720 9.16,2720
+5V on Layer 2 "+5V_L03_P003" (solid, pour order 3): 2455,1100 2450,1095 2295,1095 2295,960 2300,955 175,955 175,1060 130,1105 10,1105 10,1770 20,1780 55,1745 2455,1745
GND on Bottom Layer "GND_L04_P000" (solid, pour order 0): 2460,940 10,940 10,3995 30,3975 2445,3975

## Silkscreen, mask and mechanical layers (free items; w line width, h text height)
Top Overlay:
  text "Flight_Controller" at 315,1019.99 h60
Board Outline:
  lines w10: 0,940 2465,940 2465,3995 0,3995 0,940